# Altium PCB Plog_v1.PcbDoc (part 1 of 2)
Units mil, origin at the board's own origin, x right, y up, seen from the top; angles counter-clockwise.
Board outline 3927.17 x 3149.61 mil, 2 copper layers (Top Layer, Bottom Layer); 149 components, 99 nets, 494 pads, 571 vias.
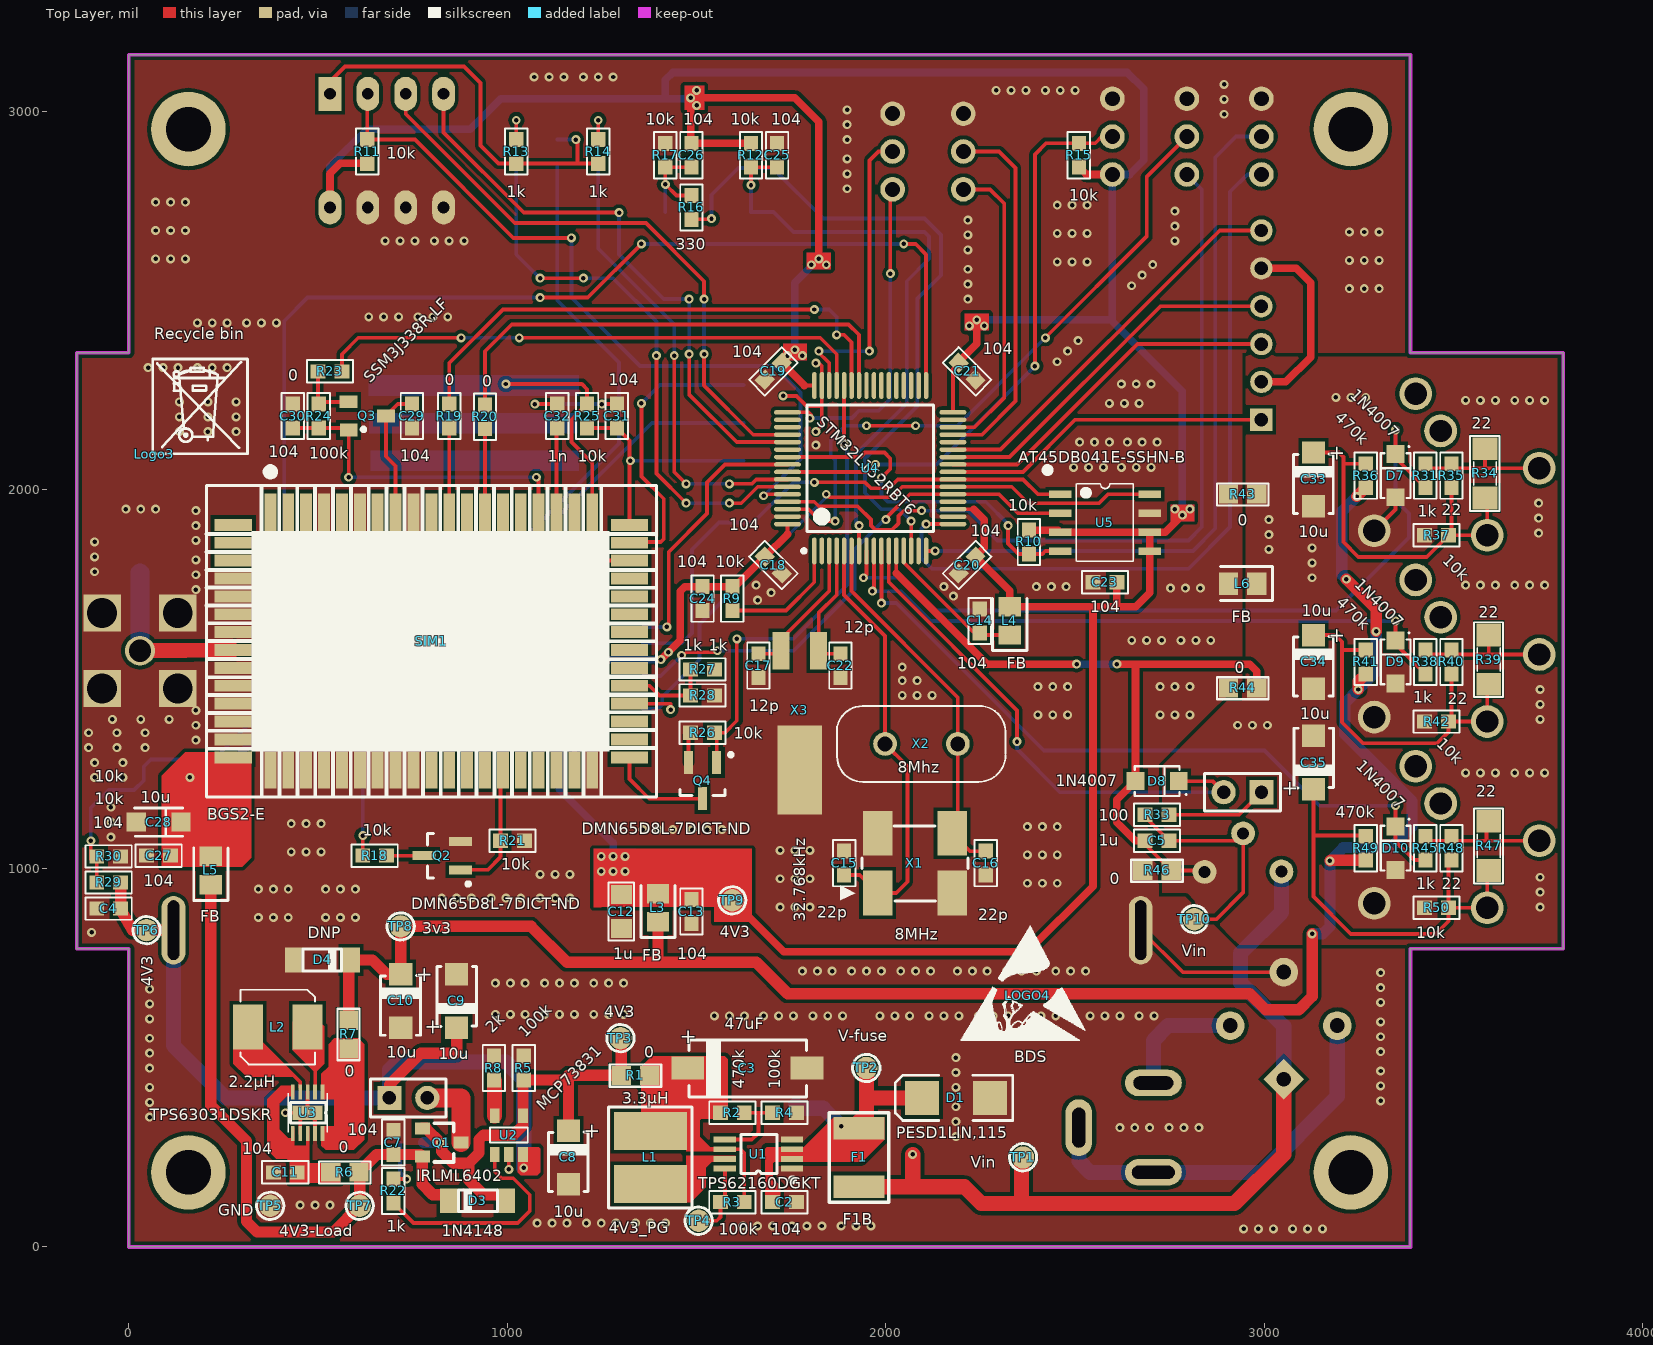
[diagram p0: Top Layer view]
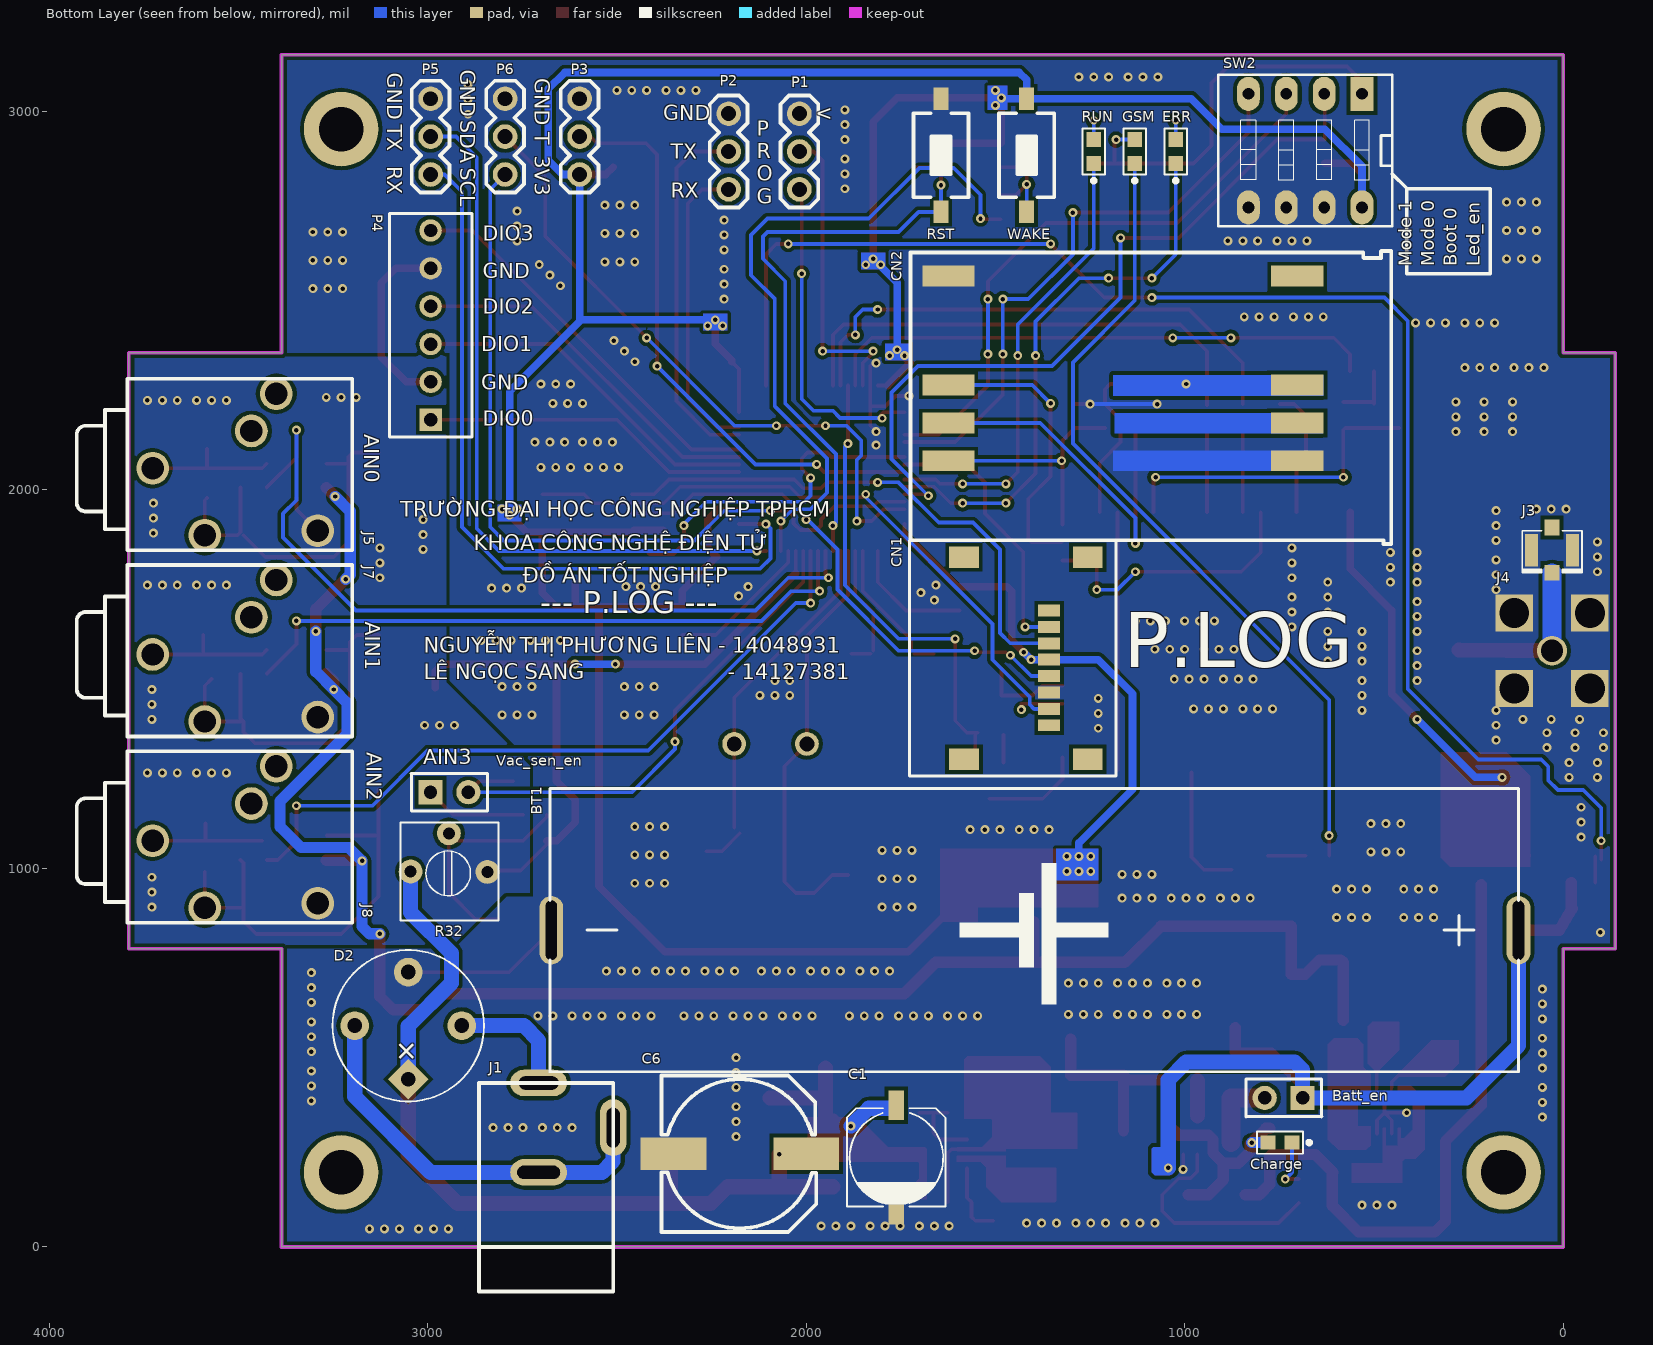
[diagram p1: Bottom Layer view, seen from below]

## Layer stack, top to bottom
Top Solder: solder mask 0.4, Solder Resist, Dk 3.5
Top Layer: signal copper 1.4
Dielectric 1: dielectric 12.6, FR-4, Dk 4.8
Bottom Layer: signal copper 1.4
Bottom Solder: solder mask 0.4, Solder Resist, Dk 3.5

## Board outline
-137.8,787.4 -137.8,2362.2 0,2362.2 0,3149.61 3385.83,3149.61 3385.83,2362.2 3789.37,2362.2 3789.37,787.4 3385.83,787.4 3385.83,0 0,0 0,787.4

## Design rules (kind name [scope] priority, off if disabled: settings)
Clearance Clearance_4 [InNamedPolygon('Top Layer-GND')] p1: gap=10
Clearance Clearance_3 [InNamedPolygon('Bottom Layer-AGND')] p2: gap=10
Clearance Clearance_2 [InNamedPolygon('Top Layer-AGND')] p3: gap=10
Clearance Clearance_1 [InNamedPolygon('Bottom Layer-GND')] p4: gap=10
Clearance [All] p5: gap=3.94
ComponentClearance [All] p1: gap=3.94 collisioncheckmode=3 verticalgap=3.94 showdistances=FALSE
HoleToHoleClearance [All] p1: gap=3.94 allowstackedmicrovias=TRUE
PolygonConnect [All] p1: connectstyle=Direct reliefconductorwidth=40 reliefentries=4 polygonreliefangle="90 Angle" airgapwidth=0
RoutingVias [All] p1: holewidth=11.81 width=23.62 viastyle="Through Hole" minholewidth=11.81 minwidth=23.62 maxholewidth=11.81 maxwidth=23.62
SolderMaskExpansion [All] p1: expansion=4
Width "Schematic Width Constraint_13" [InNet('NetC6_1')] p1: maxlimit=50 minlimit=30 preferedwidth=40
Width "Schematic Width Constraint_12" [InNet('NetD2_2')] p2: maxlimit=50 minlimit=30 preferedwidth=40
Width "Schematic Width Constraint_11" [InNet('NetD2_4')] p3: maxlimit=50 minlimit=30 preferedwidth=40
Width "Schematic Width Constraint_10" [InNet('VPP')] p4: maxlimit=50 minlimit=30 preferedwidth=40
Width "Schematic Width Constraint_9" [InNet('VBAT')] p5: maxlimit=40 minlimit=10 preferedwidth=30
Width "Schematic Width Constraint_8" [InNet('VOUT_3V3')] p6: maxlimit=40 minlimit=10 preferedwidth=30
Width "Schematic Width Constraint_7" [InNet('NetL2_2')] p7: maxlimit=40 minlimit=10 preferedwidth=30
Width "Schematic Width Constraint_6" [InNet('4V3_SW')] p8: maxlimit=40 minlimit=10 preferedwidth=30
Width "Schematic Width Constraint_5" [InNet('NetL2_1')] p9: maxlimit=40 minlimit=10 preferedwidth=30
Width "Schematic Width Constraint_4" [InNet('4V3-LOAD')] p10: maxlimit=40 minlimit=10 preferedwidth=30
Width "Schematic Width Constraint_3" [InNet('4V3_SW_TP')] p11: maxlimit=40 minlimit=10 preferedwidth=30
Width "Schematic Width Constraint_1" [InNet('4V3')] p12: maxlimit=40 minlimit=10 preferedwidth=30
Width "Schematic Width Constraint" [InNet('3V3')] p13: maxlimit=40 minlimit=10 preferedwidth=30
Width [All] p14: maxlimit=2755.91 minlimit=10 preferedwidth=10
28 further rules are at their usual default settings.

## Classes and differential pairs
component class "1. Power supply": Batt_en BT1 C1 C2 C3 C6 C7 C8 C9 C10 C11 Charge D1 D2 D3 D4 F1 J1 L1 L2 Q1 R1 R2 R3 R4 R5 R6 R7 R8 R22 TP1 TP2 TP3 TP4 TP5 TP6 TP7 TP8 U1 U2 U3
component class "2. MCU": C12 C13 C14 C15 C16 C17 C18 C19 C20 C21 C22 C23 C24 C25 C26 CN1 ERR L3 L4 P1 P2 P3 P4 P5 P6 R9 R10 R11 R12 R13 R14 R15 R16 R17 RST RUN SW2 TP9 U4 U5 wake X1 X2 X3
component class "3.GSM Module": C27 C28 C29 C30 C31 C32 CN2 GSM J3 J4 L5 Q2 Q3 Q4 R18 R19 R20 R21 R23 R24 R25 R26 R27 R28 SIM1
component class "4. ADC": C4 C5 C33 C34 C35 D7 D8 D9 D10 J5 J7 J8 L6 R29 R30 R31 R32 R33 R34 R35 R36 R37 R38 R39 R40 R41 R42 R43 R44 R45 R46 R47 R48 R49 R50 TP10 Vac_sen_en

## Components (designator, comment, footprint, x,y, rotation, side; value= is the part's Value field where it differs from the comment)
Batt_en "jumper selector" CON.HDR1X2 688.98,393.7 r0 bottom (schematic designator J2)
BT1 "3.7V/2.6AH" "Batterry Cell" 1397.64,836.61 r180 bottom
C1 "22uu/50V" CAP_SMD_6_3MM_N 1761.81,236.22 r270 bottom
C2 "104" sm-0603-c 1732.28,118.11 r0 top
C3 "47uF" "Cap SMD Tant - 470u" 1633.86,472.44 r0 top
C4 "104" sm-0603-c -53.15,893.7 r180 top
C5 "1u" sm-0603-c 2716.54,1072.83 r180 top
C6 "22uu/50V" "CAP SMD ALUMINUM G.CAOVANHUONG" 2175.2,246.06 r90 bottom
C7 "104" sm-0603-c 698.82,275.59 r90 top
C8 "10u" "Cap SMD Tant 10u" 1161.42,236.22 r270 top
C9 "10u" "Cap SMD Tant 10u" 866.14,649.61 r90 top
C10 "10u" "Cap SMD Tant 10u" 718.5,649.61 r270 top
C11 "104" sm-0603-c 413.39,196.85 r180 top
C12 "1u" "SM-0805 CAP" 1299.21,885.83 r270 top
C13 "104" sm-0603-c 1486.22,885.83 r270 top
C14 "104" sm-0603-c 2248.03,1653.54 r90 top
C15 "22p" sm-0603-c 1889.76,1013.78 r270 top
C16 "22p" sm-0603-c 2263.78,1013.78 r90 top
C17 "12p" sm-0603-c 1663.39,1535.43 r90 top
C18 "104" sm-0603-c 1702.76,1801.18 r315 top
C19 "104" sm-0603-c 1702.76,2312.99 r225 top
C20 "104" sm-0603-c 2214.57,1801.18 r225 top
C21 "104" sm-0603-c 2214.57,2312.99 r315 top
C22 "12p" sm-0603-c 1879.92,1535.43 r90 top
C23 "104" sm-0603-c 2578.74,1755.91 r180 top
C24 "104" sm-0603-c 1515.75,1712.6 r270 top
C25 "104" sm-0603-c 1712.6,2883.86 r90 top
C26 "104" sm-0603-c 1486.22,2883.86 r90 top
C27 "104" sm-0603-c 78.74,1033.46 r180 top
C28 "10u" "Tantalum Case A" 137.8,1122.05 r180 top
C29 "104" sm-0603-c 748.03,2194.88 r90 top
C30 "104" sm-0603-c 433.07,2194.88 r90 top
C31 "104" sm-0603-c 1289.37,2194.88 r90 top
C32 "1n" sm-0603-c 1131.89,2194.88 r90 top
C33 "10u" "Cap SMD Tant 10u" 3129.92,2027.56 r270 top
C34 "10u" "Cap SMD Tant 10u" 3129.92,1545.28 r270 top
C35 "10u" "Cap SMD Tant 10u" 3129.92,1279.53 r90 top
Charge "Charging status" LED0603 748.03,275.59 r180 bottom (schematic designator LED_Charge)
CN1 "Micro SDCard Socket" MicroSD-3 1358.27,1555.12 r90 bottom
CN2 "SIM HOLDER" "Sim card holder 1" 1624.02,2076.77 r0 bottom
D1 "PESD1LIN,115" DIODE_SMB 2185.04,393.7 r180 top
D2 "Diode Bridge" DB-38R 3051.18,442.91 r45 bottom
D3 "1N4148" DIODE-SOD80 921.26,122.05 r180 top
D4 "DNP" DIODE-SOD80 511.81,757.87 r0 top
D7 "1N4007" SOD-123 3346.46,2037.4 r90 top
D8 "1N4007" SOD-123 2716.54,1230.32 r0 top
D9 "1N4007" SOD-123 3346.46,1545.28 r90 top
D10 "1N4007" SOD-123 3346.46,1053.15 r90 top
ERR "Red-ERROR" LED0603 1023.62,2893.7 r270 bottom (schematic designator D5)
F1 "F1B" SMD-PTC 1929.13,236.22 r90 top
GSM "19-217/R6C-P1Q2/3T" LED0603 1131.89,2893.7 r270 bottom (schematic designator LED1)
J1 "DC JACK" "DC JACK.CAOVANHUONG" 2687.01,433.07 r90 bottom
J3 "SMA" U.FL 29.53,1840.55 r270 bottom
J4 "SMA" "SMA - through hole" 29.53,1574.8 r180 bottom
J5 "Stereo jack" "Audio Stereo Jack" 3513.78,2057.09 r180 bottom
J7 "Stereo jack" "Audio Stereo Jack" 3513.78,1564.96 r180 bottom
J8 "Stereo jack" "Audio Stereo Jack" 3513.78,1072.83 r180 bottom
L1 "3.3µH" "Inductor 2" 1377.95,236.22 r90 top
L2 "2.2µH" "INDUCTOR 4" 393.7,580.71 r0 top
L3 "FB" L2012-0805 1397.64,895.67 r90 top
L4 "FB" L2012-0805 2326.77,1653.54 r90 top
L5 "FB" L2012-0805 216.54,994.09 r90 top
L6 "FB" L2012-0805 2942.91,1751.97 r180 top
Logo3 "Recycle bin" "Recycle Bin" 66.93,2094.49 r0 top
LOGO4 "BDS" "Logo BSD - duplicate" 2374.47,663.19 r0 top
P1 "PROG" "HEADER 3PIN.CAOVANHUONG" 2017.72,2893.7 r270 bottom
P2 "Debug console" "HEADER 3PIN.CAOVANHUONG" 2204.72,2893.7 r270 bottom
P3 "TEMP-Option" "HEADER 3PIN.CAOVANHUONG" 2598.43,2933.07 r90 bottom
P4 "Header 6L" "HDR1X6 - L" 2992.13,2185.04 r90 bottom
P5 "UART-Option" "HEADER 3PIN.CAOVANHUONG" 2992.13,2933.07 r270 bottom
P6 "I2C-Option" "HEADER 3PIN.CAOVANHUONG" 2795.28,2933.07 r270 bottom
Q1 "IRLML6402" SOT23-3.CAOVANHUONG 826.77,275.59 r0 top
Q2 "DMN65D8L-7DICT-ND" SOT23N 816.93,1033.46 r180 top
Q3 "SSM3J338R,LF" SOT23B 629.92,2194.88 r270 top
Q4 "DMN65D8L-7DICT-ND" SOT23N 1515.75,1220.47 r270 top
R1 "0" R2012-0805 1338.58,452.76 r180 top
R2 "470k" SM-0603-R 1594.49,354.33 r180 top
R3 "100k" SM-0603-R 1594.49,118.11 r180 top
R4 "100k" SM-0603-R 1732.28,354.33 r180 top
R5 "100k" SM-0603-R 1043.31,472.44 r270 top
R6 "0" R2012-0805 570.87,196.85 r180 top
R7 "0" R2012-0805 580.71,561.02 r90 top
R8 "2k" SM-0603-R 964.57,472.44 r270 top
R9 "10k" SM-0603-R 1594.49,1712.6 r270 top
R10 "10k" SM-0603-R 2377.95,1862.2 r270 top
R11 "10k" SM-0603-R 629.92,2893.7 r90 top
R12 "10k" SM-0603-R 1643.7,2883.86 r270 top
R13 "1k" SM-0603-R 1023.62,2893.7 r90 top
R14 "1k" SM-0603-R 1240.16,2893.7 r90 top
R15 "10k" SM-0603-R 2509.84,2883.86 r270 top
R16 "330" SM-0603-R 1486.22,2746.06 r270 top
R17 "10k" SM-0603-R 1417.32,2883.86 r90 top
R18 "10k" SM-0603-R 649.61,1033.46 r0 top
R19 "0" SM-0603-R 846.46,2194.88 r270 top
R20 "0" SM-0603-R 940.94,2192.91 r270 top
R21 "10k" SM-0603-R 1013.78,1072.83 r0 top
R22 "1k" SM-0603-R 698.82,147.64 r270 top
R23 "0" SM-0603-R 531.5,2312.99 r180 top
R24 "100k" SM-0603-R 501.97,2194.88 r270 top
R25 "10k" SM-0603-R 1210.63,2194.88 r90 top
R26 "10k" SM-0603-R 1515.75,1358.27 r180 top
R27 "1k" SM-0603-R 1515.75,1525.59 r0 top
R28 "1k" SM-0603-R 1515.75,1456.69 r0 top
R29 "10k" SM-0603-R -53.15,962.6 r0 top
R30 "10k" SM-0603-R -53.15,1031.5 r0 top
R31 "1k" SM-0603-R 3425.2,2037.4 r90 top
R32 "Trimmer" "TRIM Rect" 2942.91,1092.52 r180 bottom
R33 "100" SM-0603-R 2716.54,1141.73 r0 top
R34 "22" SM-RES-1206 3582.68,1978.35 r90 top
R35 "22" SM-0603-R 3494.09,2037.4 r270 top
R36 "470k" SM-0603-R 3267.72,2037.4 r90 top
R37 "10k" SM-0603-R 3454.72,1879.92 r180 top
R38 "1k" SM-0603-R 3425.2,1545.28 r90 top
R39 "22" SM-RES-1206 3592.52,1486.22 r90 top
R40 "22" SM-0603-R 3494.09,1545.28 r270 top
R41 "470k" SM-0603-R 3267.72,1545.28 r90 top
R42 "10k" SM-0603-R 3454.72,1387.8 r180 top
R43 "0" R2012-0805 2942.91,1988.19 r180 top
R44 "0" R2012-0805 2942.91,1476.38 r180 top
R45 "1k" SM-0603-R 3425.2,1053.15 r90 top
R46 "0" R2012-0805 2716.54,994.09 r180 top
R47 "22" SM-RES-1206 3592.52,994.09 r90 top
R48 "22" SM-0603-R 3494.09,1053.15 r270 top
R49 "470k" SM-0603-R 3267.72,1053.15 r90 top
R50 "10k" SM-0603-R 3454.72,895.67 r180 top
RST "FSM1LPTR" "BUTTON-SMD 2PIN.CAOVANHUONG" 1643.7,2883.86 r270 bottom (schematic designator SW1)
RUN "Green-RUN" LED0603 1240.15,2893.7 r270 bottom (schematic designator D6)
SIM1 "BGS2-E" BGS2 374.02,1259.84 r0 top
SW2 "208-4" SW-DIP4 531.5,2746.06 r180 bottom
TP1 "Vin" TP#1 2362.2,236.22 r0 top
TP2 "V-fuse" TP#2 1948.82,472.44 r90 top
TP3 "4V3" TP#2 1299.21,551.18 r90 top
TP4 "4V3_PG" TP#2 1505.91,68.9 r90 top
TP5 "GND" TP#2 374.02,108.27 r90 top
TP6 "4V3" TP#2 47.24,836.61 r90 top
TP7 "4V3-Load" TP#2 610.24,108.27 r90 top
TP8 "3v3" TP#2 718.5,846.46 r90 top
TP9 "4V3" TP#2 1594.49,915.35 r90 top
TP10 "Vin" TP#2 2814.96,866.14 r180 top
U1 "TPS62160DGKT" SSOP8.S-PDSO-G8 1751.97,206.69 r180 top
U2 "MCP73831" SOT23-5.CAOVANHUONG 1003.94,295.28 r90 top
U3 "TPS63031DSKR" WSON10 472.44,354.33 r270 top
U4 "STM32L152RBT6" LQFP64_N 1958.66,2057.09 r90 top
U5 "AT45DB041E-SSHN-B" SOIC8 2460.63,1988.19 r0 top
Vac_sen_en "jumper selector" CON.HDR1X2 2991.87,1200.79 r180 bottom (schematic designator J6)
WAKE "FSM1LPTR" "BUTTON-SMD 2PIN.CAOVANHUONG" 1417.32,2883.86 r270 bottom (schematic designator SW3)
X1 "8MHz" Crystal.ECX-3S 2076.77,1013.78 r0 top
X2 "8Mhz" Crystal.HC49_N 1998.03,1328.74 r90 top
X3 "32.768kHz" "Crystal cylinder" 1722.44,1574.8 r90 top

## Footprints (in the part's own frame and the unit in brackets; to place one, negate y for a bottom-side part, rotate by r counter-clockwise, add the part's x,y. Pads: shape width x height; smd on the part's side, far side on the other; paste and mask are expansions set on the pad)
"Audio Stereo Jack" [mm] "SJ1-351XN"
  round 2.2 hole 1.5 paste+0.127 mask+0.127: 1(-5.4,0) 2(2.9,5) 3(1.225,2.5) 4(5.675,-4.2) 5(-1.9,-4.5)
  silkscreen extent -10.5,-5.5 8,6, body extent -10.3,-5.55 7.8,5.95, height 7.6
"Batterry Cell" [mm]
  oval 1.6x4.6 hole 0.762 slot 4 at 90 deg: 1(32.5,0) 2(-32.4,0)
  silkscreen extent -32.5,-9.5 32.5,9.5, body extent -32.25,-9.01 32.35,9.01, height 19.01
BGS2 [mm]
  rect 0.8x2.5 smd: 1(0,17.3) 2(1.2,17.3) 3(2.4,17.3) 4(3.6,17.3) 5(4.8,17.3) 6(6,17.3) 7(7.2,17.3) 8(8.4,17.3) 9(9.6,17.3) 10(10.8,17.3) 11(12,17.3) 12(13.2,17.3) 13(14.4,17.3) 14(15.6,17.3) 15(16.8,17.3) 16(18,17.3) 17(19.2,17.3) 18(20.4,17.3) 19(21.6,17.3) 34(21.6,0) 35(20.4,0) 36(19.2,0) 37(18,0) 38(16.8,0) 39(15.6,0) 40(14.4,0) 41(13.2,0) 42(12,0) 43(10.8,0) 44(9.6,0) 45(8.4,0) 46(7.2,0) 47(6,0) 48(4.8,0) 49(3.6,0) 50(2.4,0) 51(1.2,0) 52(0,0)
  rect 2.5x0.8 smd: 20(24.1,16.45) 21(24.1,15.25) 22(24.1,14.05) 23(24.1,12.85) 24(24.1,11.65) 25(24.1,10.45) 26(24.1,9.25) 27(24.1,8.05) 28(24.1,6.85) 29(24.1,5.65) 30(24.1,4.45) 31(24.1,3.25) 32(24.1,2.05) 33(24.1,0.85) 53(-2.5,0.85) 54(-2.5,2.05) 55(-2.5,3.25) 56(-2.5,4.45) 57(-2.5,5.65) 58(-2.5,6.85) 59(-2.5,8.05) 60(-2.5,9.25) 61(-2.5,10.45) 62(-2.5,11.65) 63(-2.5,12.85) 64(-2.5,14.05) 65(-2.5,15.25) 66(-2.5,16.45)
  silkscreen extent -4.3,-1.8 25.9,20.5, body extent -3,-0.7 24.6,18.1, height 3
"BUTTON-SMD 2PIN.CAOVANHUONG" [mm] "Switch SMD type"
  rect 1.5x1 smd: 1(-3.8,0) 2(3.8,0)
  silkscreen extent -2.82,-1.85 2.82,1.85, body extent -3.05,-1.85 3.05,1.85, height 2.5
"CAP SMD ALUMINUM G.CAOVANHUONG" [mm] "SMT Aluminum Electrolytic Capacitors, Dimensions 10.2x10.2(DxL)"
  rect 2.2x4.4 smd: 1(0,-4.45) 2(0,4.45)
  silkscreen extent -5.25,-5.13 5.25,5.25, body extent -5.17,-5.77 5.13,5.83, height 10.2
"Cap SMD Tant 10u" [mm] "CAP TANT 10UF 16V 10% 1210"
  rect 1.5x1.55 smd: 1(-1.8,0) 2(1.8,0)
  silkscreen extent -1.7,-1.4 2.3,1.37, body extent -2.4,-0.91 2.4,0.89, height 1.8
"Cap SMD Tant - 470u" [mm] "CAP TANT 10UF 50V 10% 2917"
  rect 2.2x1.55 smd: 1(-4,0) 2(4,0)
  silkscreen extent -3.91,-1.93 3.96,1.91, body extent -3.76,-1.78 3.84,1.73, height 2.79
CAP_SMD_6_3MM_N [mm] "47uF 25V"
  rect 2x1.016 smd: 1(-3.5,0) 2(3.5,0)
  silkscreen extent -3.3,-3.3 3.3,3.3, body extent -3.55,-3.3 3.45,3.3, height 5.41
CON.HDR1X2 [mil]
  rect 64x64 hole 35.43: 1(-0.44,0.28)
  round 64 hole 35.43: 2(99.56,0.28)
  silkscreen extent -51,-50 150,50, body extent -51,-50 149,50, height 350
"Crystal cylinder" [mm] "Crystal footsprint type 1"
  rect 2.5x1.143 smd: 1(0,0) 2(0,-2.54)
  rect 6x3 smd: 3(-8,-1.27)
  body extent -9.33,-2.75 -0.36,0.3, height 2
Crystal.ECX-3S [mm] "Quartz Crystal, SM; 4 Leads; Body 7 x 5 x 1.6mm (LxWxH)"
  rect 2x3 smd: 1(-2.5,-2) 2(2.5,-2) 3(2.5,2) 4(-2.5,2)
  silkscreen extent -5,-2.53 3.57,2.51, body extent -3.47,-2.51 3.53,2.49, height 1.51
Crystal.HC49_N [mm] "HC49USxx package"
  rrect100% 1.6x1.6 hole 1: 1(0,0) 2(0,-4.877)
  silkscreen extent -2.55,-8.08 2.55,3.22, body extent -2.29,-8.11 2.36,3.24, height 4
DB-38R [mil] "Body round diam. 9mm"
  rect 76x76 hole 39.37 unplated: 1(0,0)
  round 76 hole 39.37 unplated: 2(200,0) 3(200,-200) 4(0,-200)
  silkscreen extent -100,-300 300,100, body extent -100,-300 300,99, height 198
"DC JACK.CAOVANHUONG" [mm] "Jac DC input"
  oval 1.78x3.81 hole 0.89 slot 2.67 at 90 deg: 1(0,0.5)
  oval 1.78x3.81 hole 0.89 slot 2.87 at 90 deg: 2(-6,0.5)
  oval 3.81x1.78 hole 0.89 slot 2.67 at 0 deg: 3(-3,-4.5)
  silkscreen extent -14,-4.5 0,4.5, body extent -13.75,-4.75 0.08,4.75, height 11.02
DIODE-SOD80 [mm] "4148-SOD80 Diode, 2-Leads, Body 3.4x1.4mm, IPC Medium Density"
  rect 1.2x1.65 smd: 1(-1.905,0) 2(1.905,0)
  silkscreen extent -1.33,-0.76 1.27,0.73, body extent -1.85,-0.75 1.85,0.85, height 1.6
DIODE_SMB [mil]
  rect 90x90 smd: 1(-90,0) 2(90,0)
  silkscreen extent -150,-60 160,60, body extent -113,-55 103,55, height 90
"HDR1X6 - L" [mm] "Connector; Header; 6 Position"
  rect 1.5x1.5 hole 0.9: 1(0,0)
  round 1.5 hole 0.9: 2(2.54,0) 3(5.08,0) 4(7.62,0) 5(10.16,0) 6(12.7,0)
  silkscreen extent -1.14,-2.79 13.84,2.74, body extent -1.27,-2.92 13.97,2.88, height 11.72
"HEADER 3PIN.CAOVANHUONG" [mm] "PAD 1.65mm, Drill 1mm"
  round 1.65 hole 1: 1(-2.54,0) 2(0,0) 3(2.54,0)
  silkscreen extent -3.75,-1.27 3.75,1.27, body extent -3.77,-1.25 3.65,1.25, height 8.22
"Inductor 2" [mm] "Precision Wire Wound Inductor, 2-Leads, Body 4.80x4.80mm, IPC Medium Density"
  rect 2.55x4.9 smd: 1(-1.775,0) 2(1.775,0)
  silkscreen extent -3.4,-2.8 3.4,2.8, body extent -2.4,-2.4 2.4,2.4, height 2.29
"INDUCTOR 4" [mm] "Body  4.8x4.8x2.8mm"
  rect 2x3 smd: 1(-2,0) 2(2,0)
  silkscreen extent -2.5,-2.5 2.5,2.5, body extent -2,-2 2,2, height 3
L2012-0805 [mm] "Inductor Chip 0805 package"
  rect 1.3x1.5 smd: 1(-0.945,-0.007) 2(0.955,-0.007)
  silkscreen extent -1.99,-1.16 1.51,1.14, body extent -0.89,-0.58 0.89,0.58, height 0.79
LED0603 [mm]
  rect 1x0.95 smd: 1(-0.8,0) 2(0.8,0)
  silkscreen extent -1.55,-0.75 2.08,0.75, body extent -0.85,-0.45 0.85,0.45, height 0.9
"Logo BSD - duplicate" [mil] "Logo chong tinh dien"
  silkscreen extent -177,-118 153,185
LQFP64_N [mm] "Thin QFP, 64-Leads, Body 10x10mm, Pitch 0.5mm, IPC Medium Density"
  oval 1.8x0.3 smd: 1(-5.55,3.75) 2(-5.55,3.25) 3(-5.55,2.75) 4(-5.55,2.25) 5(-5.55,1.75) 6(-5.55,1.25) 7(-5.55,0.75) 8(-5.55,0.25) 9(-5.55,-0.25) 10(-5.55,-0.75) 11(-5.55,-1.25) 12(-5.55,-1.75) 13(-5.55,-2.25) 14(-5.55,-2.75) 15(-5.55,-3.25) 16(-5.55,-3.75) 33(5.55,-3.75) 34(5.55,-3.25) 35(5.55,-2.75) 36(5.55,-2.25) 37(5.55,-1.75) 38(5.55,-1.25) 39(5.55,-0.75) 40(5.55,-0.25) 41(5.55,0.25) 42(5.55,0.75) 43(5.55,1.25) 44(5.55,1.75) 45(5.55,2.25) 46(5.55,2.75) 47(5.55,3.25) 48(5.55,3.75)
  oval 0.3x1.8 smd: 17(-3.75,-5.55) 18(-3.25,-5.55) 19(-2.75,-5.55) 20(-2.25,-5.55) 21(-1.75,-5.55) 22(-1.25,-5.55) 23(-0.75,-5.55) 24(-0.25,-5.55) 25(0.25,-5.55) 26(0.75,-5.55) 27(1.25,-5.55) 28(1.75,-5.55) 29(2.25,-5.55) 30(2.75,-5.55) 31(3.25,-5.55) 32(3.75,-5.55) 49(3.75,5.55) 50(3.25,5.55) 51(2.75,5.55) 52(2.25,5.55) 53(1.75,5.55) 54(1.25,5.55) 55(0.75,5.55) 56(0.25,5.55) 57(-0.25,5.55) 58(-0.75,5.55) 59(-1.25,5.55) 60(-1.75,5.55) 61(-2.25,5.55) 62(-2.75,5.55) 63(-3.25,5.55) 64(-3.75,5.55)
  silkscreen extent -5.67,-4.25 4.25,4.57, body extent -5.8,-5.79 5.78,5.79, height 1
MicroSD-3 [mm]
  rect 0.8x1.5 smd: 1(3.2,0) 2(2.1,0) 3(1,0) 4(-0.1,0) 5(-1.2,0) 6(-2.3,0) 7(-3.4,0) 8(-4.5,0)
  rect 1.45x2 smd: 9(6.78,-2.6) 10(-6.78,-2.6) 11(-6.78,5.7) 12(6.78,5.7)
  silkscreen extent -7.9,-4.5 7.9,9.35, body extent -7.3,-4.35 7.3,9.35, height 1.77
R2012-0805 [mm] "Resister Chip 0805 package"
  rect 1.3x1.27 smd: 1(-0.945,-0.007) 2(0.955,-0.007)
  silkscreen extent -1.72,-0.73 1.73,0.75, body extent -0.89,-0.58 0.89,0.58, height 0.41
"Recycle Bin" [mil]
  silkscreen extent -4,1 246,251
"Sim card holder 1" [mm]
  rect 3.5x1.4 smd: 1(0,0) 2(0,-2.54) 3(0,-5.08) 4(0,-12.4) 5(-23.4,0) 6(-23.4,-2.54) 7(-23.4,-5.08) 8(-23.4,-12.4)
  silkscreen extent -29.72,-14.07 2.54,5.59, body extent -28.21,-12.45 1.79,4.85, height 2.5
sm-0603-c [mm] "Chip Resistor, 2-Leads, Body 1.60x0.80mm, IPC Medium Density"
  rect 1x0.95 smd: 1(-0.8,0) 2(0.8,0)
  silkscreen extent -1.55,-0.75 1.55,0.75, body extent -0.8,-0.4 0.8,0.4, height 0.8
SM-0603-R [mm] "Chip Resistor, 2-Leads, Body 1.60x0.80mm, IPC Medium Density"
  rect 1x0.95 smd: 1(0.8,0) 2(-0.8,0)
  silkscreen extent -1.55,-0.75 1.55,0.75, body extent -0.8,-0.41 0.8,0.41, height 0.45
"SM-0805 CAP" [mil]
  rect 50x55 smd: 1(-45,2) 2(45,2)
  silkscreen extent -77,-32 76,35, body extent -40,-23 40,27, height 24
SM-RES-1206 [mil]
  rect 60x65 smd: 1(0,0) 2(130,0)
  silkscreen extent -34,-38 164,39, body extent 2,-31 128,32, height 40
"SMA - through hole" [mm]
  rect 2.5x2.5 hole 2: 1(-2.54,-2.54) 3(-2.54,2.54) 4(2.54,2.54) 5(2.54,-2.54)
  round 2 hole 1.5: 2(0,0)
  body extent -3.56,-3.5 3.44,3.5, height 11.6
SMD-PTC [mm]
  rect 1.52x3.44 smd: 1(-1.965,0) 2(1.965,0)
  silkscreen extent -3,-2 3,2, body extent -2.36,-1.71 2.36,1.7, height 0.7
SOD-123 [mm]
  rect 1.2x1.2 smd: 1(-1.45,0) 2(1.45,0)
  silkscreen extent -1.5,-1 2,1, body extent -1.85,-0.77 1.85,0.77, height 1.35
SOIC8 [mm]
  rect 1.5x0.5 smd: 1(0,0) 2(0,-1.27) 3(0,-2.54) 4(0,-3.81) 5(6,-3.81) 6(6,-2.54) 7(6,-1.27) 8(6,0)
  silkscreen extent -1.05,-4.5 4.9,1.82, body extent -0.08,-4.39 5.92,0.51, height 1.7
SOT23-3.CAOVANHUONG [mm]
  rect 1x0.8 smd: 1(-1.3,0.95) 2(-1.3,-0.95) 3(1.3,0)
  silkscreen extent -0.5,-1.3 0.8,1.3, body extent -1.4,-1.45 1.4,1.45, height 1.3
SOT23-5.CAOVANHUONG [mm]
  rect 1x0.65 smd: 1(-1.3,0.95) 2(-1.3,0) 3(-1.3,-0.95) 4(1.3,-0.95) 5(1.3,0.95)
  silkscreen extent -0.5,-1.27 0.5,1.27, body extent -1.4,-1.45 1.4,1.45, height 1.45
SOT23B [mm] "SOT 23B"
  rect 0.85x1.2 smd: 1(0.94,-1.245) 2(0,1.25) 3(-0.95,-1.25)
  silkscreen extent 0.77,-0.38 1.02,-0.13, body extent -1.5,-1.3 1.5,1.2, height 1.06
SOT23N [mm] "SOT23, 3-Leads, Body 3.0x2.6mm (max), Pitch 0.95mm, IPC Medium Density"
  rect 1.55x0.6 smd: 1(-1.5,0.95) 2(-1.5,-0.95) 3(0.925,0)
  silkscreen extent -2.15,-1.5 0.7,2.02, body extent -1.27,-1.5 1.23,1.5, height 1.05
SSOP8.S-PDSO-G8 [mm]
  rect 1.5x0.4 smd: 1(0,0) 2(0,-0.65) 3(0,-1.3) 4(0,-1.95) 5(4.5,-1.95) 6(4.5,-1.3) 7(4.5,-0.65) 8(4.5,0)
  silkscreen extent -0.17,-2.28 3.43,0.9, body extent -0.25,-2.47 4.75,0.53, height 1.2
SW-DIP4 [mil]
  rect 60x90 hole 31: 1(0,300)
  oval 60x90 hole 31: 2(-100,300) 3(-200,300) 4(-300,300) 5(-300,0) 6(-200,0) 7(-100,0) 8(0,0)
  silkscreen extent -380,-50 80,350, body extent -380,-50 80,350, height 272
"Tantalum Case A" [mm]
  rect 1.3x1.27 smd: 1(0,0) 2(3,0)
  silkscreen extent -0.12,-0.95 3.12,0.95, body extent -0.18,-0.8 3.21,0.8, height 1.65
TP#1 [mm] "Test Point"
  round 1.5 smd: 1(0,0)
  silkscreen extent -0.91,-0.9 0.92,0.93, body extent -0.91,-0.9 0.92,0.93
TP#2 [mm] "Test Point"
  round 1.5 smd: 1(0.004,0.011)
  silkscreen extent -0.91,-0.9 0.92,0.92, body extent -0.91,-0.9 0.92,0.93
"TRIM Rect" [mm]
  round 1.6 hole 0.8: 1(-2.591,-2.565) 2(-0.025,0) 3(2.565,-2.591)
  silkscreen extent -3.28,-5.84 3.3,0.74, body extent -3.27,-5.87 3.33,0.73, height 4.4
U.FL [mm]
  rect 2.2x0.85 smd: P$1(0,1.375) P$2(0,-1.375)
  rect 1.05x1 smd: P$3(1.525,0) P$4(-1.525,0)
  silkscreen extent -1.3,-2 1.5,2
WSON10 [mm] "Plastic small Outline WSON10"
  rect 1x0.25 smd: 1(-1.4,1) 2(-1.4,0.5) 3(-1.4,0) 4(-1.4,-0.5) 5(-1.4,-1) 6(1.4,-1) 7(1.4,-0.5) 8(1.4,0) 9(1.4,0.5) 10(1.4,1)
  rect 1x2 smd: 3(0,0)
  silkscreen extent -1.3,-1.3 1.3,1.3

## Part data
BT1: library part "PIN 3V", "BATTERY LITHIUM 3.7V 2.6AH"
C1 C6: library part Cap_Pol, "CAP ALUM 22UF 20% 50V SMD"
C2 C4 C5 C7 C11 C13 C14 C18 C19 C20 C21 C23 C24 C25 C26 C27 C29 C30 C31: library part Capacitor, "CAP CER 10000PF 16V 0603"
C3: library part Cap_Pol, "47uF/10V ±10% SMD Tantalum Capacitor"
C8 C9 C10 C33 C34 C35: library part Cap_Pol, "CAP CER 10UF 6.3V X5R 1206"
C12: library part Capacitor, "CAP CER 1UF 16V X7R 0805"
C15 C16: library part Capacitor, "CAP CER 22PF 25V C0G/NP0 0603"
C17 C22: library part Capacitor, "CAP CER 12PF 25V C0G/NP0 0201"
C28: library part "Capacitor elec", "CAP CER 10UF 6.3V X5R 1206"
C32: library part Capacitor, "CAP CER 1000PF 50V X7R 0603"
Charge ERR RUN: library part LED, "LED Single colour Green and Red"
CN1: library part "MicroSDCard Socket"
CN2: library part "Sim Card Holder", "Micro SIM Card Socket 6pin, Open-Lock"
D1: library part "Diode TVS", "TVS DIODE 15V/24V 44V/70V SOD323"
D2: library part Diode_Bridge, "Rectifier Bridge"
D3 D4: library part "Diode Zener", "Zener Diode"
D7 D8 D9 D10: library part "Diode 1N4007", "DIODE 100V/1A"
F1: library part Fuse, "2.5A/16V SMD-1812 PTC Resettable Fuses"
GSM: library part LED, "LED Red Water Clear SMD-0603"
J1: "Low Voltage Power Supply Connector"
J3: library part U.FL
J4: library part "SMA RF Connector", "CONN RP-SMA RCPT R/A 50 OHM PCB"
J5 J7 J8: library part "Audio Jack", "Stereo audio jack"
L1: library part Inductor, "FIXED IND 3.3UH 3.2A 30.2 MOHM"
L2: library part Inductor, "FIXED IND 2.2UH 2.9A 42 MOHM SMD"
L3 L4 L5 L6: library part Inductor, "FERRITE BEAD 100 OHM 0805 1LN"
Logo3: library part Recyclebin
LOGO4: library part "BSD Logo"
P1 P2 P3 P5 P6: library part "Header 3", "Header, 3-Pin"
P4: "Header, 6-Pin"
Q1: "P-Channel MOSFET, ID =3.7A @ TA = 25°C, VGS @ -4.5V"
Q2 Q4: library part C1815, "MOSFET N-CH 60V 310MA SOT23"
Q3: library part A1015, "MOSFET P-CH 12V 6A SOT23F"
R1 R6 R7 R43 R44 R46: library part Resistor, "RES SMD 0 OHM JUMPER 1/10W 0805"
R2: library part Resistor, "RES SMD 470K OHM 1% 1/10W 0603"
R3 R5 R8 R24: library part Resistor, "RES SMD 100K OHM 5% 1/10W 0603"
R4: library part Resistor, "RES SMD 100K OHM 1% 1/10W 0603"
R9 R10 R11 R12 R16 R17 R18 R21 R25 R26 R29 R30 R31 R33 R34 R35 R36 R37 R38 R39 R40 R41 R42 R45 R47 R48 R49 R50: library part Resistor, "RES SMD 10K OHM 5% 1/10W 0603"
R13 R14 R15 R22 R27 R28: library part Resistor, "RES SMD 1K OHM 5% 1/10W 0603"
R19 R20 R23: library part Resistor, "RES SMD 0 OHM JUMPER 1/10W 0603"
R32: "Res var, Rectangle Trimmer"
RST WAKE: library part "SW PUSHBUTTON-SPST-2/SM", "SWITCH TACTILE SPST-NO 0.05A 24V"
SIM1: library part BGS2, "GSM MODULE 2.5G"
SW2: library part SWDIP-4, "SWITCH SLIDE DIP SPST 50MA 24V"
TP1 TP2 TP3 TP4 TP5 TP6 TP7 TP8 TP9 TP10: library part TP, "Test Point"
U1: library part TPS62160, "IC REG BUCK ADJ 1A SYNC 8VSSOP"
U2: "Miniature Single Cell, Fully Integrated Li-Ion,  Li-Polymer Charge Management ControllerController"
U3: library part TPS63031, "IC REG BUCK BST 3.3V 0.9A 10SON"
U4: "ARM Cortex-M3 32-bit MCU, 128 KB Flash, 16 KB Internal RAM, 51 I/Os, 64-pin LQFP, -40 to 85 degC, Tray"
U5: library part AT45DB011, "IC FLASH 4MBIT 85MHZ 8SOIC"
X1: library part "Crystal SMD", "CRYSTAL 8.0000MHZ 18PF SMD"
X2: library part Crystal, "CRYSTAL 8.0000MHZ 18PF TH"
X3: library part "Crystal Cylinder", "CRYSTAL 32.7680KHZ 12.5PF SMD"

## Free pads (board coordinates)
  round 196.85 hole 118.11: 0(157.48,196.85) 0(157.48,2952.76) 0(3228.35,196.85) 0(3228.35,2952.76)

## Via types
v1: diameter 23.62, hole 11.81, Top Layer to Bottom Layer, tented both sides, 571 vias

## Nets (pads, with @x,y where several pads share a name; then routed paths per layer and width w, separated by ;. In a path a pad name is that pad's centre, name@x,y a point inside that pad or via, vN(x,y) a via of type N, cw(c..) or ccw(c..) an arc to the next point about the centre after c; other vN are vias at no path point)
3V3: C10.1 D4.2 L3.1 R7.2 R36.2 R41.2 R49.2 TP8.1 | length 4915.5
  Top Layer w30: R7.2@580.98,598.64 580.98,752.05 D4.2@586.81,757.87 643.7,757.87 681.1,720.47 C10.1@718.5,720.47 718.5,846.15 TP8.1@718.06,846.6 1062.85,846.6 1157.48,751.97 1657.48,751.97 1740.63,668.82 2961.1,668.82 3003.94,625.98 3090.55,625.98 3125.98,661.42 v1(3125.98,826.77) ; 1397.64,751.97 1397.91,752.24 L3.1@1397.91,858.48 ; v1(3173.23,1019.69) 3175.2,1021.65 R49.2@3267.72,1021.65 ; v1(3216.54,1763.78) 3295.28,1685.04 v1(3295.28,1625.98) ; v1(3244.09,1982.28) R36.2@3267.72,2005.91 ; v1(3248.03,1472.44) 3248.03,1494.09 R41.2@3267.72,1513.78
  Bottom Layer w30: v1(3125.98,826.77) 3153.54,826.77 3173.23,846.46 v1(3173.23,1019.69) 3208.66,1055.12 3334.65,1055.12 3389.76,1110.24 3389.76,1177.17 3212.6,1354.33 3212.6,1437.01 v1(3248.03,1472.44) 3295.28,1519.69 v1(3295.28,1625.98) ; v1(3216.54,1763.78) 3204.72,1775.59 3204.72,1942.91 v1(3244.09,1982.28)
3V3-LED: GSM.1 R13.2 R14.2 SW2.1 | length 1068.8
  Top Layer w10: SW2.1@531.5,3046.06 531.5,3078.74 570.87,3118.11 885.83,3118.11 929.13,3074.8 929.13,2909.45 976.38,2862.2 R13.2@1023.62,2862.2 1185.04,2862.2 ; v1@1185.04,2921.26 1185.04,2862.2 ; R14.2@1240.16,2862.2 1185.04,2862.2
  Bottom Layer w10: GSM.1@1131.89,2925.2 v1(1181.1,2925.2)
3V3_MCU: C12.1 C13.1 C18.1 C19.1 C20.1 C21.1 C23.1 C24.1 C26.2 CN1.4 L3.2 L4.2 P3.1 R9.2 R10.2 R11.2 R12.2 R15.1 SW2.8 TP9.1 U4.19 U4.32 U4.48 U4.64 U5.3 U5.5 U5.6 WAKE.1 | length 11017.8
  Top Layer w10: 1740.16,1883.12 U4.64@1740.16,1909.45 ; 1784.7,2275.59 U4.48@1811.02,2275.59 ; U4.19@2177.17,1948.82 2232.28,1948.82 ; U4.32@2177.17,2204.72 2177.17,2318.9 C21.1@2196.85,2338.58
  Top Layer w20: SW2.8@531.5,2746.06 531.5,2834.65 559.06,2862.2 R11.2@629.92,2862.2 ; v1@1279.53,1023.62 v1(1279.53,1031.5) ; C12.1@1301.21,930.83 1472.72,930.83 C13.1@1486.22,917.32 1488.05,915.5 TP9.1@1594.04,915.5 1730.01,779.53 2374.02,779.53 2547.24,952.76 2547.24,1688.98 2545.06,1691.16 ; v1(1405.51,1551.18) 1456.69,1602.36 1456.69,1732.28 1468.5,1744.09 C24.1@1515.75,1744.09 1601.13,1744.09 C18.1@1680.48,1823.45 1740.16,1883.12 ; R12.2@1643.7,2915.35 C26.2@1486.22,2915.35 1484.25,2917.32 v1(1484.25,3035.43) 1759.84,3035.43 1822.83,2972.44 v1(1822.83,2610.24) ; v1(1759.84,2370.08) C19.1@1725.03,2335.26 1784.7,2275.59 ; C21.1@2196.85,2338.58 2196.85,2342.52 2240.16,2385.83 v1(2240.16,2448.82) ; 2232.28,1948.82 2259.84,1921.26 2259.84,1846.46 C20.1@2236.84,1823.45 2327.05,1733.24 L4.2@2327.05,1691.16 2545.06,1691.16 ; R10.2@2377.95,1893.7 2455.12,1893.7 U5.3@2460.63,1888.19 U5.6@2696.85,1888.19 ; R15.1@2509.84,2852.36 2529.13,2833.07 P3.1@2598.43,2833.07 ; C23.1@2610.24,1755.91 2610.24,1691.16 ; v1(2783.46,1933.07) 2738.58,1888.19 U5.6@2696.85,1888.19 ; 2545.06,1691.16 2610.24,1691.16 ; 2610.24,1691.16 2659.66,1691.16 2696.85,1728.35 U5.5@2696.85,1838.19 U5.6@2696.85,1888.19
  Bottom Layer w20: SW2.8@531.5,2746.06 531.5,2854.33 629.92,2952.76 901.57,2952.76 982.28,3033.46 WAKE.1@1417.32,3033.46 ; v1(1279.53,1031.5) 1279.53,1066.93 1137.8,1208.66 1137.8,1460.63 1228.35,1551.18 CN1.4@1358.27,1551.18 v1(1405.51,1551.18) v1(1425.2,1570.87) ; v1(1484.25,3035.43) 1482.28,3033.46 WAKE.1@1417.32,3033.46 ; v1(1759.84,2370.08) 1759.84,2547.24 v1(1822.83,2610.24) ; v1(2240.16,2448.82) 2594.49,2448.82 2783.46,2259.84 v1(2783.46,1933.07) ; 2598.43,2452.76 P3.1@2598.43,2833.07 2644.09,2833.07 2681.1,2870.08 2681.1,3059.06 2637.8,3102.36 1437.01,3102.36 1417.32,3082.68 WAKE.1@1417.32,3033.46
  other v1: 1248.03,992.13 1279.53,992.13 1311.02,992.13 1248.03,1031.5 1311.02,1031.5 2763.78,1948.82 2803.15,1948.82 1740.16,2354.33 1779.53,2354.33 1759.84,2370.08 2220.47,2433.07 2259.84,2433.07 2240.16,2448.82 1803.15,2594.49 1842.52,2594.49 1822.83,2610.24 1500,3015.75 1484.25,3035.43 1500,3055.12
4V3: C8.1 Charge.1 D3.1 Q1.1 R1.2 R5.1 TP3.1 U2.4 | length 1196.1
  Top Layer w30: Q1.1@775.59,312.99 785.43,312.99 v1(822.83,275.59) 826.77,271.65 826.77,251.97 858.27,220.47 897.64,220.47 ; D3.1@990.35,137.8 937.01,137.8 897.64,177.17 897.64,220.47 ; R5.1@1041.34,438.98 U2.4@1041.34,346.46 1041.34,320.87 1015.75,295.28 937.01,295.28 925.2,283.46 925.2,248.03 897.64,220.47 ; R5.1@1043.31,440.94 1149.61,440.94 1161.42,452.76 ; C8.1@1161.42,307.09 1161.42,452.76 ; TP3.1@1300.97,549.12 R1.2@1300.97,453.03 1161.69,453.03 1161.42,452.76
  Bottom Layer w30: Charge.1@779.53,275.59 v1(822.83,275.59)
4V3-LOAD: C7.1 D3.2 L5.1 Q1.2 R6.1 TP7.1 | length 1695.7
  Top Layer w30: L5.1@216.81,956.91 216.81,373.74 311.02,279.53 311.02,66.93 338.58,39.37 540.75,39.37 TP7.1@609.79,108.41 609.79,195.39 R6.1@608.06,197.13 655.02,244.09 C7.1@698.82,244.09 769.69,244.09 Q1.2@775.59,238.19 775.59,165.35 803.15,137.8 D3.2@840.35,137.8
4V3_FB: R2.2 R4.1 U1.5 | length 223.9
  Top Layer w10: U1.5@1574.8,283.46 1645.67,283.46 1663.39,301.18 1663.39,354.33 ; R2.2@1625.98,354.33 1663.39,354.33 ; R4.1@1700.79,354.33 1663.39,354.33
4V3_PG: R3.1 TP4.1 U1.8 | length 194.4
  Top Layer w10: TP4.1@1505.46,69.04 1553.29,69.04 1562.99,78.74 R3.1@1562.99,118.11 1574.8,129.92 U1.8@1574.8,206.69
4V3_SW: C3.1 L1.2 R1.1 R2.1 R3.2 U1.6 | length 268.1
  Top Layer w10: U1.6@1574.8,257.87 1616.14,257.87 1625.98,248.03 R3.2@1625.98,118.11
  Top Layer w30: 1488.19,334.65 1507.87,354.33 R2.1@1562.99,354.33
4V3_SW_TP: L1.1 U1.7
AGND: C5.2 C33.2 C34.2 C35.2 D7.1 D8.1 D9.1 D10.1 J5.4 J7.4 J8.4 L6.1 R32.3 R37.1 R42.1 R43.1 R44.1 R46.1 R50.1 U4.12 | length 2053.5
  Top Layer w10: 2027.56,1779.53 U4.12@2027.56,1838.58 ; v1(2610.24,1539.37) 2659.45,1539.37 ; C5.2@2685.04,1072.83 2685.04,1063.06 R46.1@2753.72,994.37 2838.06,994.37 R32.3@2841.91,990.52 ; J5.4@3290.35,1891.73 3346.46,1947.83 D7.1@3346.46,1980.32
  Top Layer w20: 2027.56,1779.53 2267.72,1539.37 v1(2503.94,1539.37) ; v1(2610.24,1539.37) 2961.4,1539.37 2980.1,1520.67 R44.1@2980.1,1476.65 ; 2659.45,1539.37 D8.1@2659.45,1230.32 2610.24,1181.1 2610.24,1122.05 2659.45,1072.83 C5.2@2685.04,1072.83
  Bottom Layer w20: v1(2503.94,1539.37) v1(2610.24,1539.37)
  other v1: 3728.35,897.64 3728.35,937.01 3728.35,976.38 3531.5,1251.97 3570.87,1251.97 3610.24,1251.97 3661.42,1251.97 3700.79,1251.97 3740.16,1251.97 2929.13,1377.95 2968.5,1377.95 3007.87,1377.95 3728.35,1393.7 3728.35,1433.07 3728.35,1472.44 3531.5,1748.03 3570.87,1748.03 3610.24,1748.03 3661.42,1748.03 3700.79,1748.03 3740.16,1748.03 3125.98,1767.72 3125.98,1807.09 3011.81,1842.52 3125.98,1846.46 3011.81,1881.89 3724.41,1885.83 3011.81,1921.26 3724.41,1925.2 3724.41,1964.57 3531.5,2236.22 3570.87,2236.22 3610.24,2236.22 3661.42,2236.22 3700.79,2236.22 3740.16,2236.22 3188.98,2244.09 3228.35,2244.09 3267.72,2244.09
BGS2_ON: C29.2 Q3.2 SIM1.8 | length 346.5
  Top Layer w10: SIM1.8@704.72,1940.94 704.72,2062.99 679.13,2088.58 Q3.2@679.13,2194.88 710.63,2226.38 C29.2@748.03,2226.38
BGS2_RST: Q4.3 SIM1.33 | length 271.6
  Top Layer w10: SIM1.33@1322.83,1293.31 1322.83,1236.22 1375,1184.06 Q4.3@1515.75,1184.06
CCCLK: CN2.3 SIM1.21 | length 764.3
  Top Layer w10: SIM1.21@1324.8,1862.2 1405.51,1862.2 1413.39,1870.08 1413.39,1976.38 1354.33,2035.43 v1(1354.33,2228.35)
  Bottom Layer w10: v1(1354.33,2228.35) 1402.76,2276.77 CN2.3@1624.02,2276.77
CCIN: SIM1.18 SIM1.35 | length 681.1
  Top Layer w10: SIM1.35@1177.16,1259.84 SIM1.18@1177.16,1940.94
CCIO: CN2.7 R25.1 SIM1.19 | length 879.5
  Top Layer w10: v1(996.06,2279.53) 1196.85,2279.53 1210.63,2265.75 R25.1@1210.63,2226.38 1169.29,2185.04 1169.29,2125.98 1224.41,2070.87 SIM1.19@1224.41,1940.94
  Bottom Layer w10: CN2.7@702.76,2276.77 993.31,2276.77 v1(996.06,2279.53)
CCRST: C32.1 CN2.2 SIM1.17 | length 971.2
  Top Layer w10: v1(1129.92,1858.27) SIM1.17@1129.92,1940.94 1129.92,2161.42 C32.1@1131.89,2163.39
  Bottom Layer w10: v1(1129.92,1858.27) 1129.92,1925.2 1381.5,2176.77 CN2.2@1624.02,2176.77
CCVCC: C31.1 CN2.1 R25.2 SIM1.20 | length 647.7
  Top Layer w10: R25.2@1210.63,2163.39 C31.1@1289.37,2163.39 1322.83,2129.92 SIM1.20@1322.83,1907.48
  Bottom Layer w10: v1(1324.8,2076.77) CN2.1@1624.02,2076.77
CH_STT: R22.1 U2.1 | length 601.7
  Top Layer w10: R22.1@698.82,116.14 751.97,62.99 1027.56,62.99 1059.06,94.49 1059.06,137.8 1015.75,181.1 984.25,181.1 966.54,198.82 U2.1@966.54,244.09